# Altium PCB CGRA_Board_3.PcbDoc (part 5 of 7)
Units mil, origin at the board's own origin, x right, y up, seen from the top; angles counter-clockwise.
Board outline 10143 x 5538 mil, 10 copper layers (Top Layer, GND, Int2 (Sign), 1V8, Int4 (Sign), Int5 (Sign), 0V8_OUT, Int7 (Sign), GND (Plane4), Bottom Layer), stack 59.156 mil thick; 266 components, 396 nets, 2084 pads, 2900 vias.
Unrouted connection lines stored in the file: 464.
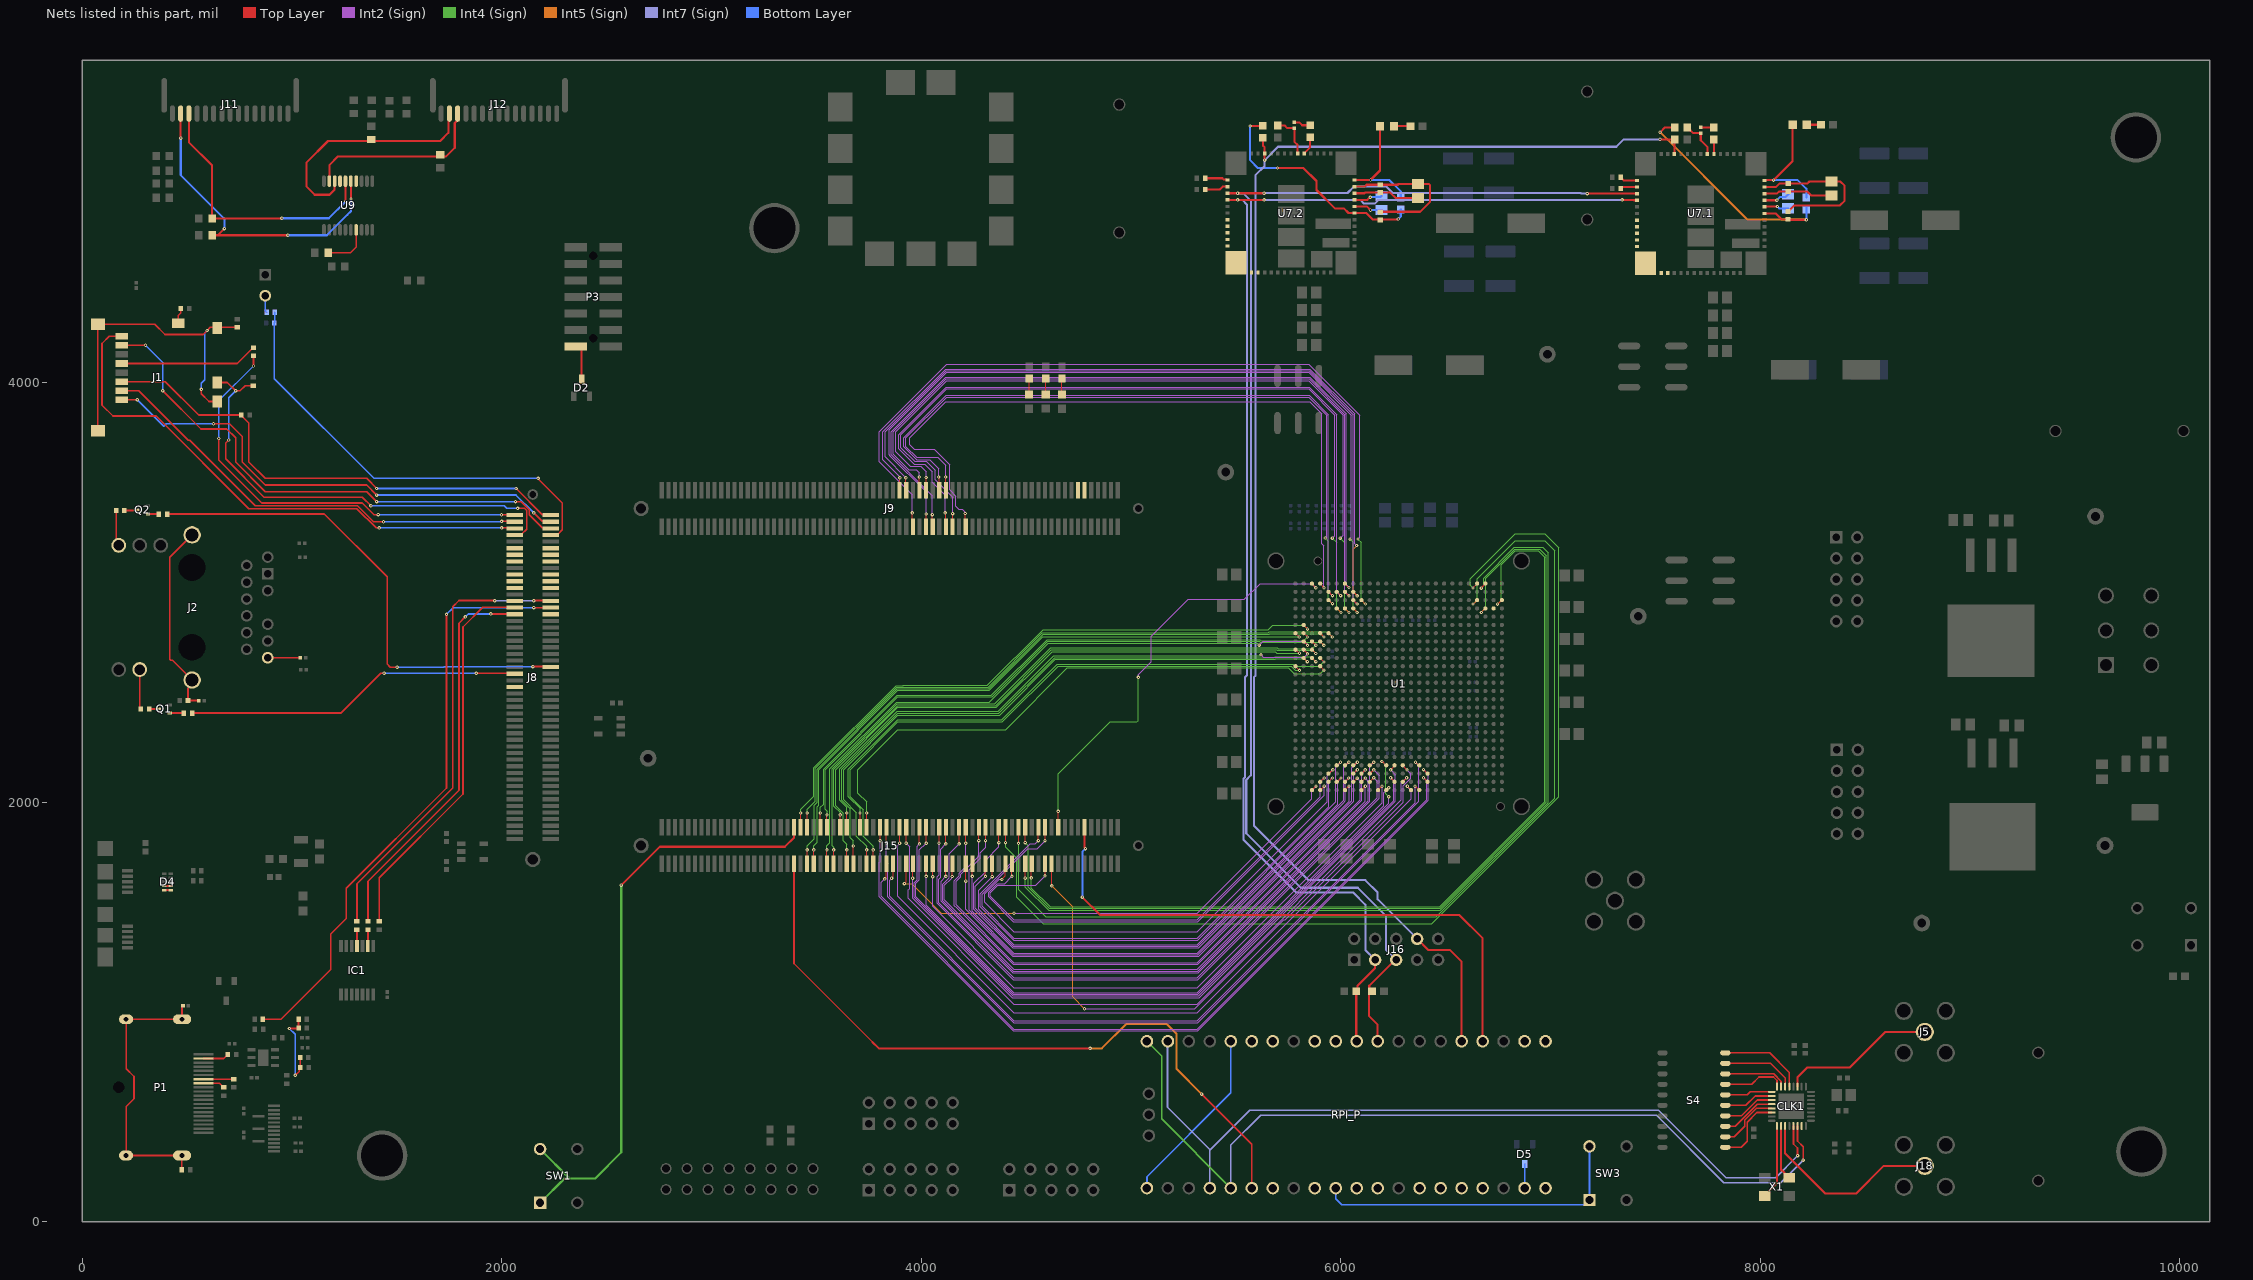
[diagram p13: the nets of this part, all layers, seen from the top]

## Via types
v1: diameter 22, hole 10, Top Layer to Bottom Layer, 1756 vias
v2: diameter 15.98, hole 4, Top Layer to Bottom Layer, 537 vias
v3: diameter 15.98, hole 4, Top Layer to Bottom Layer, tented both sides, 515 vias
v4: diameter 16, hole 4, Top Layer to Bottom Layer, 47 vias
v5: diameter 12, hole 6, Top Layer to Bottom Layer, 30 vias
v6: diameter 16, hole 8, Top Layer to Bottom Layer, 15 vias

## Nets (pads, with @x,y where several pads share a name; then routed paths per layer and width w, separated by ;. In a path a pad name is that pad's centre, name@x,y a point inside that pad or via, vN(x,y) a via of type N, cw(c..) or ccw(c..) an arc to the next point about the centre after c; other vN are vias at no path point) (continued)
NetC149_2: C149.2 J2.11 | length 155.4
  Top Layer w8: J2.11@884.61,2689 C149.2@1040.01,2689
NetC162_U_TPSM846C23_template1_1: C162.1.1 U7.1.49 | length 125.7
  Top Layer w10: U7.1.49@8019.15,4869.8 v2(8079.09,4869.8)
  Bottom Layer w10: v2(8079.09,4869.8) 8095.31,4886.03 8120.56,4886.03 C162.1.1@8133,4898.46
NetC162_U_TPSM846C23_template1_2: C162.1.2 U7.1.48 | length 118.1
  Top Layer w10: U7.1.48@8019.15,4838.31 8020.84,4840 v2(8081,4840)
  Bottom Layer w10: v2(8081,4840) 8089.46,4831.54 C162.1.2@8133,4831.54
NetC162_U_TPSM846C23_template2_1: C162.2.1 U7.2.49 | length 134.5
  Top Layer w10: U7.2.49@6066.15,4871.99 6126.99,4871.99 v6(6140,4885)
  Bottom Layer w10: v6(6140,4885) 6188.04,4885 C162.2.1@6193.12,4890.08
NetC162_U_TPSM846C23_template2_2: C162.2.2 U7.2.48 | length 134.2
  Top Layer w10: U7.2.48@6066.15,4840.5 6124.59,4840.5 v6(6141.94,4823.15)
  Bottom Layer w10: v6(6141.94,4823.15) C162.2.2@6193.12,4823.15
NetC169_U_TPSM846C23_template1_1: C169.1.1 C170.1.1 U7.1.50 | length 331.9
  Top Layer w10: U7.1.50@8019.15,4901.3 8079.09,4901.3 8089.3,4911.51 C170.1.1@8133,4911.51 8224.49,4911.51 8243.46,4892.54 C169.1.1@8339,4892.54
NetC169_U_TPSM846C23_template1_2: C169.1.2 C170.1.2 C171.1.1 U7.1.51 | length 764.4
  Top Layer w10: U7.1.51@8019.15,4932.8 8074.17,4932.8 8090.68,4949.31 C170.1.2@8133,4949.31 8224.49,4949.31 8234.65,4959.46 C169.1.2@8339,4959.46 8381.54,4959.46 8402,4939 8402,4868 8379,4845 8162.1,4845 8140.6,4823.5 8140.6,4822.71 8133.79,4815.9 C171.1.1@8133,4815.9
NetC169_U_TPSM846C23_template2_1: C169.2.1 C170.2.1 U7.2.50 | length 313.5
  Top Layer w10: U7.2.50@6066.15,4903.49 6112.72,4903.49 6115.33,4906.1 C170.2.1@6188,4906.1 6236.43,4906.1 6262,4880.54 C169.2.1@6368,4880.54
NetC169_U_TPSM846C23_template2_2: C169.2.2 C170.2.2 C171.2.1 U7.2.51 | length 703.7
  Top Layer w10: U7.2.51@6066.15,4934.98 6113.98,4934.98 6122.9,4943.9 C170.2.2@6188,4943.9 6271.9,4943.9 6275.46,4947.46 C169.2.2@6368,4947.46 6420.14,4947.46 6426,4941.61 6426,4863.13 6378.17,4815.3 C171.2.1@6188,4815.3
NetC171_U_TPSM846C23_template1_2: C171.1.2 R41.1.1 R42.1.1 U7.1.47 | length 1224.7
  Top Layer w10: v2(7522.02,5194) 7545.37,5217.35 R42.1.1@7591,5217.35 ; U7.1.47@8019.15,4806.81 8073.19,4806.81 8101.9,4778.1 8133,4778.1 8134.16,4776.94 v2(8219.13,4776.94)
  Int5 (Sign) w10: v2(7522.02,5194) 7938.02,4778 8218.07,4778 v2(8219.13,4776.94)
  Bottom Layer w10: v2(8219.13,4776.94) R41.1.1@8219.13,4826.06 R41.1.1@8219.13,4840.83
NetC171_U_TPSM846C23_template2_2: C171.2.2 R41.2.1 R42.2.1 U7.2.47 | length 1124.6
  Top Layer w10: v4(5568,5224) 5628,5224 R42.2.1@5629,5225 ; v4(5698.57,5024) 5821.82,5024 5883.98,4961.84 5883.98,4918.54 5971.52,4831 6015,4831 6037,4809 U7.2.47@6066.15,4809 6121.96,4809 6153.45,4777.5 6188,4777.5 6269.79,4777.5 6273.1,4780.82 v6(6274.72,4780.82)
  Bottom Layer w10: v4(5568,5224) 5568,5061 5605,5024 v4(5698.57,5024) ; v6(6274.72,4780.82) 6286,4792.09 R41.2.1@6286,4825.46
NetC172_U_TPSM846C23_template1_1: C172.1.1 Rcomp1.1.2 | length 61
  Top Layer w10: C172.1.1@7716,5217.35 Rcomp1.1.2@7777,5217.35
NetC172_U_TPSM846C23_template1_2: C172.1.2 Rset1.1.1 U7.1.7 | length 188.5
  Top Layer w10: Rset1.1.1@7652,5217.35 7652,5216.36 7664.72,5203.65 7665.7,5203.65 7679.56,5189.79 C172.1.2@7716,5189.79 7716,5156 7747.5,5124.5 U7.1.7@7747.5,5090.28
NetC172_U_TPSM846C23_template2_1: C172.2.1 Rcomp1.2.2 | length 80.6
  Top Layer w10: C172.2.1@5779,5241 5802.08,5241 5815.54,5227.54 Rcomp1.2.2@5854,5227.54
NetC172_U_TPSM846C23_template2_2: C172.2.2 Rset1.2.1 U7.2.7 | length 211.7
  Top Layer w10: Rset1.2.1@5700.01,5226.32 5732.68,5226.32 5745.56,5213.44 C172.2.2@5779,5213.44 5779,5149 5794.5,5133.5 U7.2.7@5794.5,5092.46
NetCLK1_1: CLK1.1 S4.16 | length 227.6
  Top Layer w8: S4.16@7832.84,605.53 7937.5,605.53 7951.87,619.9 CLK1.1@8054.5,619.9
NetCLK1_2: CLK1.2 S4.15 | length 240.2
  Top Layer w8: S4.15@7832.84,555.53 7930.48,555.53 7975.17,600.21 CLK1.2@8054.5,600.21
NetCLK1_3: CLK1.3 S4.14 | length 252.7
  Top Layer w8: S4.14@7832.84,505.53 7910.06,505.53 7985.06,580.53 CLK1.3@8054.5,580.53
NetCLK1_4: CLK1.4 S4.13 | length 265.3
  Top Layer w8: S4.13@7832.84,455.53 7879.78,455.53 7985.09,560.84 CLK1.4@8054.5,560.84
NetCLK1_5: CLK1.5 S4.12 | length 295
  Top Layer w8: S4.12@7832.84,405.53 7875.29,405.53 7926,456.24 7926,485.48 7981.67,541.16 CLK1.5@8054.5,541.16
NetCLK1_6: CLK1.6 S4.11 | length 344.4
  Top Layer w8: S4.11@7832.84,355.53 7909.53,355.53 7937.5,383.5 7937.5,475.63 7983.34,521.47 CLK1.6@8054.5,521.47
NetCLK1_9: CLK1.9 X1.1 | length 360.6
  Top Layer w10: X1.1@8020.05,123.69 8023.98,123.69 8042.61,142.31 8042.61,146.25 8079.1,182.75 CLK1.9@8079.1,457.5
NetCLK1_10: CLK1.10 X1.3 | length 265.8
  Top Layer w10: CLK1.10@8098.79,457.5 8098.79,249.68 8115.6,232.87 8115.6,228.93 8134.22,210.31 X1.3@8138.16,210.31
NetCLK1_29: CLK1.29 S4.20 | length 411.5
  Top Layer w8: S4.20@7832.84,805.53 8044.47,805.53 8138.16,711.84 CLK1.29@8138.16,644.5
NetCLK1_30: CLK1.30 S4.19 | length 355.8
  Top Layer w8: S4.19@7832.84,755.53 8048.79,755.53 8118.47,685.84 CLK1.30@8118.47,644.5
NetCLK1_31: CLK1.31 S4.18 | length 306.6
  Top Layer w8: S4.18@7832.84,705.53 8064.1,705.53 8098.79,670.84 CLK1.31@8098.79,644.5
NetCLK1_32: CLK1.32 S4.17 | length 297
  Top Layer w8: S4.17@7832.84,655.53 7958.53,655.53 7993.53,690.53 8062.47,690.53 8079.1,673.9 CLK1.32@8079.1,644.5
NetD2_3: D2.3 P3.2 | length 181.6
  Top Layer w10: P3.2@2358.95,4167.31 P3.2@2353.34,4172.93 2366.31,4172.93 2381,4158.24 D2.3@2381,4018.34
NetD4_4: D4.4 D4.7 | length 30.3
  Top Layer w10: D4.4@392,1601 D4.7@422.32,1601
NetD4_5: D4.5 D4.6 | length 30.3
  Top Layer w10: D4.5@392,1581.32 D4.6@422.32,1581.32
NetD5_3: D5.3 RPI_P.39 | length 115.4
  Bottom Layer w8: RPI_P.39@6876,161 6877,162 D5.3@6877,276
NetDS2_1: DS2.1 R32.2 | length 88.9
  Top Layer w10: DS2.1@6254,5223 6338.63,5223 R32.2@6341.63,5220
NetDS2_2: DS2.2 R41.2.2 U7.2.52 | length 547.1
  Top Layer w10: U7.2.52@6066.15,4966.48 v6(6141.94,4966.48) 6187.07,5011.61 DS2.2@6187.07,5223
  Bottom Layer w10: v6(6141.94,4966.48) 6231.52,4966.48 6286,4912 R41.2.2@6286,4882.54
NetDS3_1: DS3.1 R35.2 | length 71.2
  Top Layer w10: DS3.1@8220.93,5230 R35.2@8289.31,5230 R35.2@8291.32,5232
NetDS3_2: DS3.2 R41.1.2 U7.1.52 | length 561.1
  Top Layer w10: U7.1.52@8019.15,4964.29 8020.86,4966 v2(8063,4966) 8154,5057 DS3.2@8154,5230
  Bottom Layer w10: v2(8063,4966) 8178,4966 8219.13,4924.87 R41.1.2@8219.13,4883.15
NetDS4_1: DS4.1 R44.2 | length 77
  Top Layer w4: DS4.1@4671,3943.46 R44.2@4671,4020.46
NetDS5_1: DS5.1 R54.2 | length 76.1
  Top Layer w4: DS5.1@4593,3944.46 4593.18,3944.65 R54.2@4593.18,4020.46
NetDS6_1: DS6.1 R55.2 | length 77
  Top Layer w4: DS6.1@4514,3943.46 R55.2@4514,4020.46
NetIC1_2: IC1.2 R15.1 | length 79.5
  Top Layer w8: IC1.2@1361.77,1314.32 1363,1315.54 R15.1@1363,1393.32
NetIC1_4: IC1.4 R16.1 | length 79.2
  Top Layer w8: R16.1@1310,1393.32 1310.59,1392.72 IC1.4@1310.59,1314.32
NetJ1_1: J1.1 J8.97 | length 2369.5
  Top Layer w8: J1.1@188.98,3918.56 v6(263.51,3918.56) ; v6(626,3804.73) 702.59,3804.73 763.42,3743.9 763.42,3622.08 873,3512.5 1356.09,3512.5 v2(1404.09,3464.5) ; v2@2153.07,3380.07 2193.36,3339.77 J8.97@2237.73,3339.77
  Bottom Layer w8: v6(263.51,3918.56) 389.07,3793 400.79,3804.73 v6(626,3804.73) ; v2(1404.09,3464.5) 2068.5,3464.5 v2(2153,3380)
NetJ1_2: J1.2 J8.98 | length 2135.9
  Top Layer w8: J1.2@188.98,3961.87 270.13,3961.87 506.69,3725.31 513.31,3725.31 513.73,3725.73 825.96,3413.5 1312.59,3413.5 1388.82,3337.27 v2(1436.73,3337.27) ; v2@1999.73,3339.77 J8.98@2064.5,3339.77
  Bottom Layer w8: v2(1436.73,3337.27) 1996.46,3337.27 1998.96,3339.77 v2(1999.73,3339)
NetJ1_3: J1.3 J8.99 R21.1 | length 2421.8
  Top Layer w8: J1.3@188.98,4005.17 396.16,4005.17 555.34,3846 R21.1@759.32,3846 759.32,3844.03 794.92,3808.43 794.92,3622.08 873,3544 1356.09,3544 v2(1404.09,3496) ; v2@2068.81,3495.81 2193.36,3371.27 J8.99@2237.73,3371.27
  Bottom Layer w8: v2(1404.09,3496) v2(2069,3496)
NetJ1_5: J1.5 R23.2 | length 659.5
  Top Layer w8: J1.5@188.98,4091.79 739.13,4091.79 815.03,4167.69 R23.2@817,4167.69
NetJ1_7: J1.7 J8.95 | length 2570.3
  Top Layer w8: J1.7@188.98,4178.4 v6(302,4178.4) ; v6(383.98,3961.87) 566.35,3779.5 690.23,3779.5 731.92,3737.8 731.92,3622.08 873,3481.01 1356.09,3481.01 v2(1404.09,3433.01) ; v2(2066,3433) 2093.44,3433 2131.2,3395.24 2131.2,3370.43 2193.36,3308.27 J8.95@2237.73,3308.27
  Bottom Layer w8: v6(302,4178.4) 383.98,4096.42 v6(383.98,3961.87) ; v2(1404.09,3433.01) v2(2066,3433)
NetJ1_8: J1.8 J8.96 | length 2614
  Top Layer w8: J1.8@188.98,4221.71 129.71,4221.71 95,4187 95,3893.31 147,3841.31 353.6,3841.31 794.92,3400 1309.83,3400 1401.56,3308.27 v2(1416.5,3308.27) ; v2@2000,3308.27 J8.96@2064.5,3308.27
  Bottom Layer w8: v2(1416.5,3308.27) 1999.73,3308.27 v2(2000,3308)
NetJ1_9: J1.9 R24.2 | length 75.1
  Top Layer w8: J1.9@458.66,4283.72 458.66,4320.66 470.31,4332.31 R24.2@470.31,4354
NetJ1_10: J1.10 J8.94 R25.1 | length 2231.2
  Top Layer w8: J1.10@644.69,4001.24 692.55,4001.24 v6(731.92,3961.87) 752.87,3961.87 777.32,3986.32 R25.1@815,3986.32 ; v6(699,3727) 685,3713 685,3636.96 867.21,3454.75 1335.47,3454.75 v2(1376.72,3413.5) ; J8.94@2064.5,3276.78 2094.03,3276.78 2119,3301.75 2119,3391.18 2109.18,3401 v2(2076,3401)
  Bottom Layer w8: v6(699,3727) 699,3928.94 v6(731.92,3961.87) ; v2(1376.72,3413.5) 2011.73,3413.5 2024.23,3401 v2(2076,3401)
NetJ2_13: J2.13 R28.1 | length 190.4
  Top Layer w8: J2.13@274.61,2633 274.61,2450.71 R28.1@280.32,2445
NetJ2_17: J2.17 R29.1 | length 171.2
  Top Layer w8: R29.1@162,3391 162,3261.12 162.58,3260.54 162.58,3237.03 J2.17@174.61,3225
NetJ8_48: J8.48
NetJ8_52: J8.52 R27.1 | length 1619.2
  Top Layer w8: R27.1@524.37,2425.32 1233.32,2425.32 1423.36,2615.36 v2(1440,2615.36) ; v2(1879,2615) 2064.14,2615 J8.52@2064.5,2615.36
  Bottom Layer w8: v2(1440,2615.36) 1878.64,2615.36 v2(1879,2615)
NetJ8_53: J8.53 R30.1 | length 2379.4
  Top Layer w8: R30.1@405.69,3374 1155,3374 1454,3075 1454,2659 1469,2644 v2(1502,2644) ; v2(2149,2647) 2237.59,2647 J8.53@2237.73,2646.86
  Bottom Layer w8: v2(1502,2644) 1724.14,2644 1727,2646.86 2148.86,2646.86 v2(2149,2647)
NetJ8_69: J8.69
NetJ8_70: J8.70 R15.2 | length 1887.2
  Top Layer w8: R15.2@1363,1432.69 1363,1623 1797,2057 1797,2854 v2(1827,2884) ; v2(1948,2898) 2063.68,2898 J8.70@2064.5,2898.83
  Bottom Layer w8: v2(1827,2884) 1841,2898 v2(1948,2898)
NetJ8_71: J8.71 R8.1 | length 2858.8
  Top Layer w8: R8.1@861.27,965.8 948.2,965.8 1185,1202.61 1185,1372 1259.41,1446.41 1259.41,1590.92 1737,2068.51 v2(1737,2896) ; v2(2153,2928) 2235.41,2928 J8.71@2237.73,2930.32
  Bottom Layer w8: v2(1737,2896) 1769,2928 v2(2153,2928)
NetJ8_72: J8.72 R14.2 | length 1856.5
  Top Layer w8: R14.2@1416,1432.69 1416,1639.94 1816,2039.94 1816,2835.83 1910.49,2930.32 J8.72@2064.5,2930.32
NetJ8_73: J8.73 R16.2 | length 2172.3
  Top Layer w8: R16.2@1310,1432.69 1310,1611 1767,2068 1767,2931.82 1797,2961.82 1966.18,2961.82 v2(1967,2961) ; v2(2153,2961) 2153.82,2961.82 J8.73@2237.73,2961.82
  Int7 (Sign) w8: v2(1967,2961) v2(2153,2961)
NetJ8_74: J8.74
NetJ8_77: J8.77
NetJ8_78: J8.78
NetJ8_79: J8.79
NetJ8_80: J8.80
NetJ8_81: J8.81
NetJ8_82: J8.82
NetJ8_85: J8.85
NetJ8_86: J8.86
NetJ8_87: J8.87
NetJ8_88: J8.88
NetJ8_89: J8.89
NetJ8_90: J8.90
NetJ8_93: J8.93 R20.1 R22.1 | length 2125
  Top Layer w8: v2@2173,3543 2289,3427 2289,3298.52 2267.26,3276.78 J8.93@2237.73,3276.78
  Bottom Layer w8: R20.1@918.68,4336.2 918.68,4287.12 R22.1@916.56,4285 916.56,4019.13 1391.69,3544 v2(2174,3544)
NetJ8_100: J8.100 R23.1 | length 2085.3
  Top Layer w8: v6(652,3734) 652,3632 857,3427 1335.95,3427 1391.69,3371.27 v2(1411.66,3371.27) ; v6(817,4080) R23.1@817,4128.32 ; v2@1998.96,3371.27 J8.100@2064.5,3371.27
  Bottom Layer w8: v6(652,3734) 652,3915 v6(817,4080) ; v2(1411.66,3371.27) 1998.69,3371.27 v2(1998.96,3371)
NetJ9_128: J9.128
NetJ9_130: J9.130
NetP1_13: P1.13 R5.2 | length 105.4
  Top Layer w8: P1.13@578.94,660.69 655.32,660.69 666.2,649.8 666.2,647.83 673.03,641 R5.2@675,641
NetP1_14: P1.14 R6.2 | length 143.1
  Top Layer w8: P1.14@578.94,680.37 R6.2@721.99,680.37
NetP1_19: P1.19 R9.2 | length 124.9
  Top Layer w8: P1.19@578.94,778.8 675.54,778.8 685.95,789.2 687.92,789.2 694.75,796.03 R9.2@694.75,798
NetP2_2: P2.2 R20.2 | length 81.4
  Bottom Layer w8: P2.2@873,4415 873,4342.52 R20.2@879.31,4336.2
NetQ1_1: Q1.1 R27.2 | length 67.7
  Top Layer w8: Q1.1@417.49,2425.32 484.63,2425.32 R27.2@485,2425.69
NetQ1_3: Q1.3 R28.2 | length 46.8
  Top Layer w8: R28.2@319.69,2445 Q1.3@366.51,2445
NetQ2_1: Q2.1 R30.2 | length 52
  Top Layer w8: Q2.1@314.49,3374.32 366,3374.32 R30.2@366.31,3374
NetQ2_3: Q2.3 R29.2 | length 63.4
  Top Layer w8: R29.2@201.37,3391 260.51,3391 Q2.3@263.51,3394
NetR7_1: R7.1 R11.2 R17.2 R18.1 | length 416.7
  Top Layer w8: v2(988,922) 1029.99,922 R18.1@1031.93,923.94 R11.2@1031.93,965.8 ; v2(1016.21,698.69) 1034.63,717.1 1034.63,730.31 R7.1@1040.32,736 1040.32,781.91 R17.2@1038.99,783.24
  Bottom Layer w8: v2(988,922) 1016.21,893.79 v2(1016.21,698.69)
NetR33_2: R33.2 U7.2.16 | length 109.7
  Top Layer w10: R33.2@5353.69,4975 5435.38,4975 5442.41,4967.97 5458.36,4967.97 U7.2.16@5459.85,4966.48
NetR34_2: R34.2 U7.2.17 | length 112
  Top Layer w10: R34.2@5353.69,4921 5423.61,4921 5437.6,4934.98 U7.2.17@5459.85,4934.98
NetR36_2: R36.2 U7.1.16 | length 86.8
  Top Layer w10: R36.2@7333.69,4980 7333.69,4978.03 7339.51,4972.2 7341.48,4972.2 7349.39,4964.29 U7.1.16@7412.85,4964.29
NetR37_2: R37.2 U7.1.17 | length 82.5
  Top Layer w10: R37.2@7333.69,4926 7333.69,4926.97 7339.51,4932.8 U7.1.17@7412.85,4932.8
NetR49_1: R49.1 U9.17 | length 245.4
  Top Layer w8: R49.1@1172.7,4620.08 1279.4,4620.08 1306.39,4647.06 U9.17@1306.39,4728.86
  Top Layer w10: U9.17@1306.39,4728.86 U9.17@1306.39,4747.56
NetRcomp1_U_TPSM846C23_template1_1: Rcomp1.1.1 U7.1.6 | length 70.8
  Top Layer w10: Rcomp1.1.1@7777,5160.26 7778.99,5158.27 U7.1.6@7778.99,5090.28
NetRcomp1_U_TPSM846C23_template2_1: Rcomp1.2.1 U7.2.6 | length 89.6
  Top Layer w10: U7.2.6@5825.99,5092.46 5825.99,5094.43 5854,5122.44 Rcomp1.2.1@5854,5170.46
NetRPI_P_14: RPI_P.14
NetRPI_P_15: RPI_P.15
NetRPI_P_27: RPI_P.27
NetRPI_P_29: RPI_P.29
NetRPI_P_35: RPI_P.35
NetRPI_P_36: RPI_P.36
NetRPI_P_37: RPI_P.37
NetRPI_P_40: RPI_P.40
NetU7_U_TPSM846C23_template1_22: U7.1.22 U7.1.23 U7.1.24 U7.1.25 U7.1.26 U7.1.27 U7.1.28 U7.1.29
NetU7_U_TPSM846C23_template2_22: U7.2.22 U7.2.23 U7.2.24 U7.2.25 U7.2.26 U7.2.27 U7.2.28 U7.2.29
nINT0: U9.4
nINT1: U9.7
out_clk: CLK1.27 J5.1 | length 741.6
  Top Layer w10: CLK1.27@8177.53,644.5 8177.53,690.53 8223,736 8427,736 8596.53,905.53 J5.1@8784,905.53
OUTSEL: CLK1.15
PICO_AC0: RPI_P.31
PICO_AC1: RPI_P.32
PICO_AC2: RPI_P.34
PICO_MASTER_I2C_SCL: J16.3 R39.2 RPI_P.10 U7.1.19 U7.2.19 | length 6475.2
  Top Layer w10: U7.2.19@5459.85,4871.99 v2(5508.49,4871.99) v2(5634.58,4871.99) ; RPI_P.10@6076,861 6073.54,863.46 R39.2@6073.54,1099 6079.86,1105.32 6079.86,1125.86 6164,1210 J16.3@6164,1249 ; v2(7341.48,4871.99) 7395.82,4871.99 7398.01,4869.8 U7.1.19@7412.85,4869.8
  Int7 (Sign) w10: v2(5508.49,4871.99) 5529.57,4871.99 5553,4848.56 5553,2605.5 5542.5,2595.01 5542.5,2118.49 5536,2111.99 5536,1821.54 5787.27,1570.27 6058.64,1570.27 6117.32,1511.59 6117.32,1295.68 J16.3@6164,1249 ; v2(5634.58,4871.99) 6093,4871.99 6110.99,4854 6162.01,4854 6180,4871.99 v2(7341.48,4871.99)
PICO_MASTER_I2C_SDA: J16.5 R38.2 RPI_P.9 U7.1.18 U7.2.18 | length 6601
  Top Layer w10: U7.2.18@5459.85,4903.49 v2(5508.49,4903.49) v2(5634.58,4903.49) ; RPI_P.9@6176,861 6176,940 6135.46,980.54 6135.46,1099 6135.86,1099.4 6135.86,1125.86 6259,1249 J16.5@6264,1249 ; v2(7174.8,4901.3) U7.1.18@7412.85,4901.3
  Int7 (Sign) w10: v2(5508.49,4903.49) 5534.73,4903.49 5571.5,4866.72 5571.5,2128.4 5549.5,2106.4 5549.5,1852.58 5809.54,1592.54 6080.91,1592.54 6215,1458.45 6215,1298 J16.5@6264,1249 ; v2(5634.58,4903.49) 5635.67,4904.58 6032,4904.58 6062.42,4935 6218,4935 6248.42,4904.58 7143,4904.58 7146.28,4901.3 v2(7174.8,4901.3)
pico_ready: J15.130 RPI_P.4 | length 2820.2
  Top Layer w10: v2(4768,1548) 4853,1463 6565,1463 6676,1352 RPI_P.4@6676,861 ; J15.130@4779.13,1880.23 4779.13,1782.87 v2(4783,1779)
  Bottom Layer w10: v2(4768,1548) 4768,1764 v2(4783,1779)
PICO_RESET_N: RPI_P.30 SW3.1 SW3.2 | length 1537.9
  Bottom Layer w8: RPI_P.30@5976,161 5976,110 6005,81 7162.37,81 SW3.1@7185.42,104.05 SW3.2@7185.42,359.95
PICO_SPI1_RX: RPI_P.16 RPI_P.21 | length 865.7
  Bottom Layer w8: RPI_P.21@5076,161 5076,215 5476,615 RPI_P.16@5476,861
PICO_SPI1_SCK: CLK1.13 RPI_P.19 RPI_P.24 | length 3991.1
  Top Layer w8: CLK1.13@8157.84,457.5 8157.84,371.53 8177.53,351.84 v4(8177.53,315.56)
  Int7 (Sign) w8: RPI_P.19@5176,861 5174,859 5174,547 5376,345 5376,342 ; RPI_P.24@5376,161 5376,342 ; v4(8177.53,315.56) 8072.97,211 7835.94,211 7514.94,532 5566,532 5376,342
PICO_SPI1_TX: CLK1.14 RPI_P.20 RPI_P.25 | length 4209.2
  Top Layer w8: CLK1.14@8177.53,457.5 8177.53,385.31 8204,358.83 v4(8204,294)
  Int4 (Sign) w8: RPI_P.20@5076,861 5146,791 5146,491 RPI_P.25@5476,161
  Int7 (Sign) w8: RPI_P.25@5476,161 5476,366 5618,508 7505,508 7826,187 8097,187 v4(8204,294)
PICO_UART0_RX: RPI_P.2
PICO_UART0_TX: RPI_P.1
PICO_UART1_RX: RPI_P.12
PICO_UART1_TX: RPI_P.11
PMBUS_CNTL: J16.8 R42.1.2 R42.2.2 RPI_P.5 U7.1.12 U7.2.12 | length 7026.8
  Top Layer w10: R42.2.2@5629,5167.91 5629,5130 5637.02,5121.98 U7.2.12@5637.02,5092.46 v2(5637.02,5061) ; J16.8@6364,1349 6418,1295 6521.29,1295 6576,1240.29 RPI_P.5@6576,861 ; v6(7522.02,5160.26) R42.1.2@7591,5160.26 7590.02,5159.28 U7.1.12@7590.02,5090.28
  Int7 (Sign) w10: J16.8@6364,1349 6176,1537 6176,1570.27 6117.32,1628.95 5845.95,1628.95 5585.5,1889.4 5585.5,2595.33 5593,2602.83 5593,4989 5637.02,5033.02 v2(5637.02,5061) 5701.02,5125 7314,5125 7349.26,5160.26 v6(7522.02,5160.26)
ramp_clock: U1.B4 | length 0.2
  Top Layer w5: U1.B4@6728.44,2924.44 U1.B4@6728.63,2924.44
ref_clk: CLK1.11 J18.1 | length 930.8
  Top Layer w10: CLK1.11@8118.47,457.5 8118.47,326.05 8309.52,135 8457,135 8589,267 J18.1@8784,267
SCL0: J11.3 R48.1 U9.6 | length 1312.9
  Top Layer w10: J11.3@509.15,5283.2 509.15,5146.85 619.39,5036.61 R48.1@619.39,4783.22 v2@952,4783.22 ; U9.6@1255.2,4961.14 1255.2,4864.82 v2(1256.01,4864.02)
  Bottom Layer w10: v2(952,4784) 1175.99,4784 v2(1256.01,4864.02)
SCL1: J12.3 R53.1 U9.9 | length 877.5
  Top Layer w10: U9.9@1178.43,4961.14 1178.43,5037.61 1219.82,5079 1735.46,5079 1776.5,5120.03 1776.5,5122 1776.5,5238.3 1790.15,5251.96 J12.3@1790.15,5283.2
SDA0: J11.2 R47.1 U9.5 | length 1554.2
  Top Layer w10: J11.2@469.78,5283.2 469.78,5166.54 v2(470.31,5166) ; R47.1@619.5,4703 646.78,4703 ; v2(678.32,4734.54) 646.78,4703 ; v2(981,4703) 646.78,4703 ; U9.5@1280.8,4940.35 U9.5@1280.8,4961.14 1282,4959.94 v2(1282,4876)
  Bottom Layer w10: v2(470.31,5166) 470.31,4989.69 678.32,4781.68 v2(678.32,4734.54) ; v2(981,4703) 1166.93,4703 1264.67,4800.75 1282,4818.07 v2(1282,4876)
SDA1: J12.2 R52.1 U9.8 | length 1144.1
  Top Layer w10: U9.8@1204.02,4961.14 1204.02,4921.39 1179,4896.36 1108.82,4896.36 1069.22,4935.96 1069.22,5049.01 1172.37,5152.16 1707.12,5152.16 1745.99,5191.03 1745.99,5193 1745.99,5247.17 1750.78,5251.96 J12.2@1750.78,5283.2
SH_GND1: C139.2 P1.21 P1.22 P1.23 P1.24 R13.1 | length 1345.7
  Top Layer w8: R13.1@475.32,248 475.32,314.94 474.06,316.2 P1.23@209.65,316.2 209.65,549.65 247,587 247,692.96 209.65,730.31 P1.24@209.65,965.8 P1.22@476.57,965.8 476.57,1025.57 C139.2@480.32,1029.31